# Altium PCB VCU_LAYOUT.PcbDoc (part 1 of 3)
Units mm, origin at the board's own origin, x right, y up, seen from the top; angles counter-clockwise.
Board outline 100 x 100 mm, 2 copper layers (Top Layer, Bottom Layer); 174 components, 112 nets, 647 pads, 397 vias.
Unrouted connection lines stored in the file: 9.
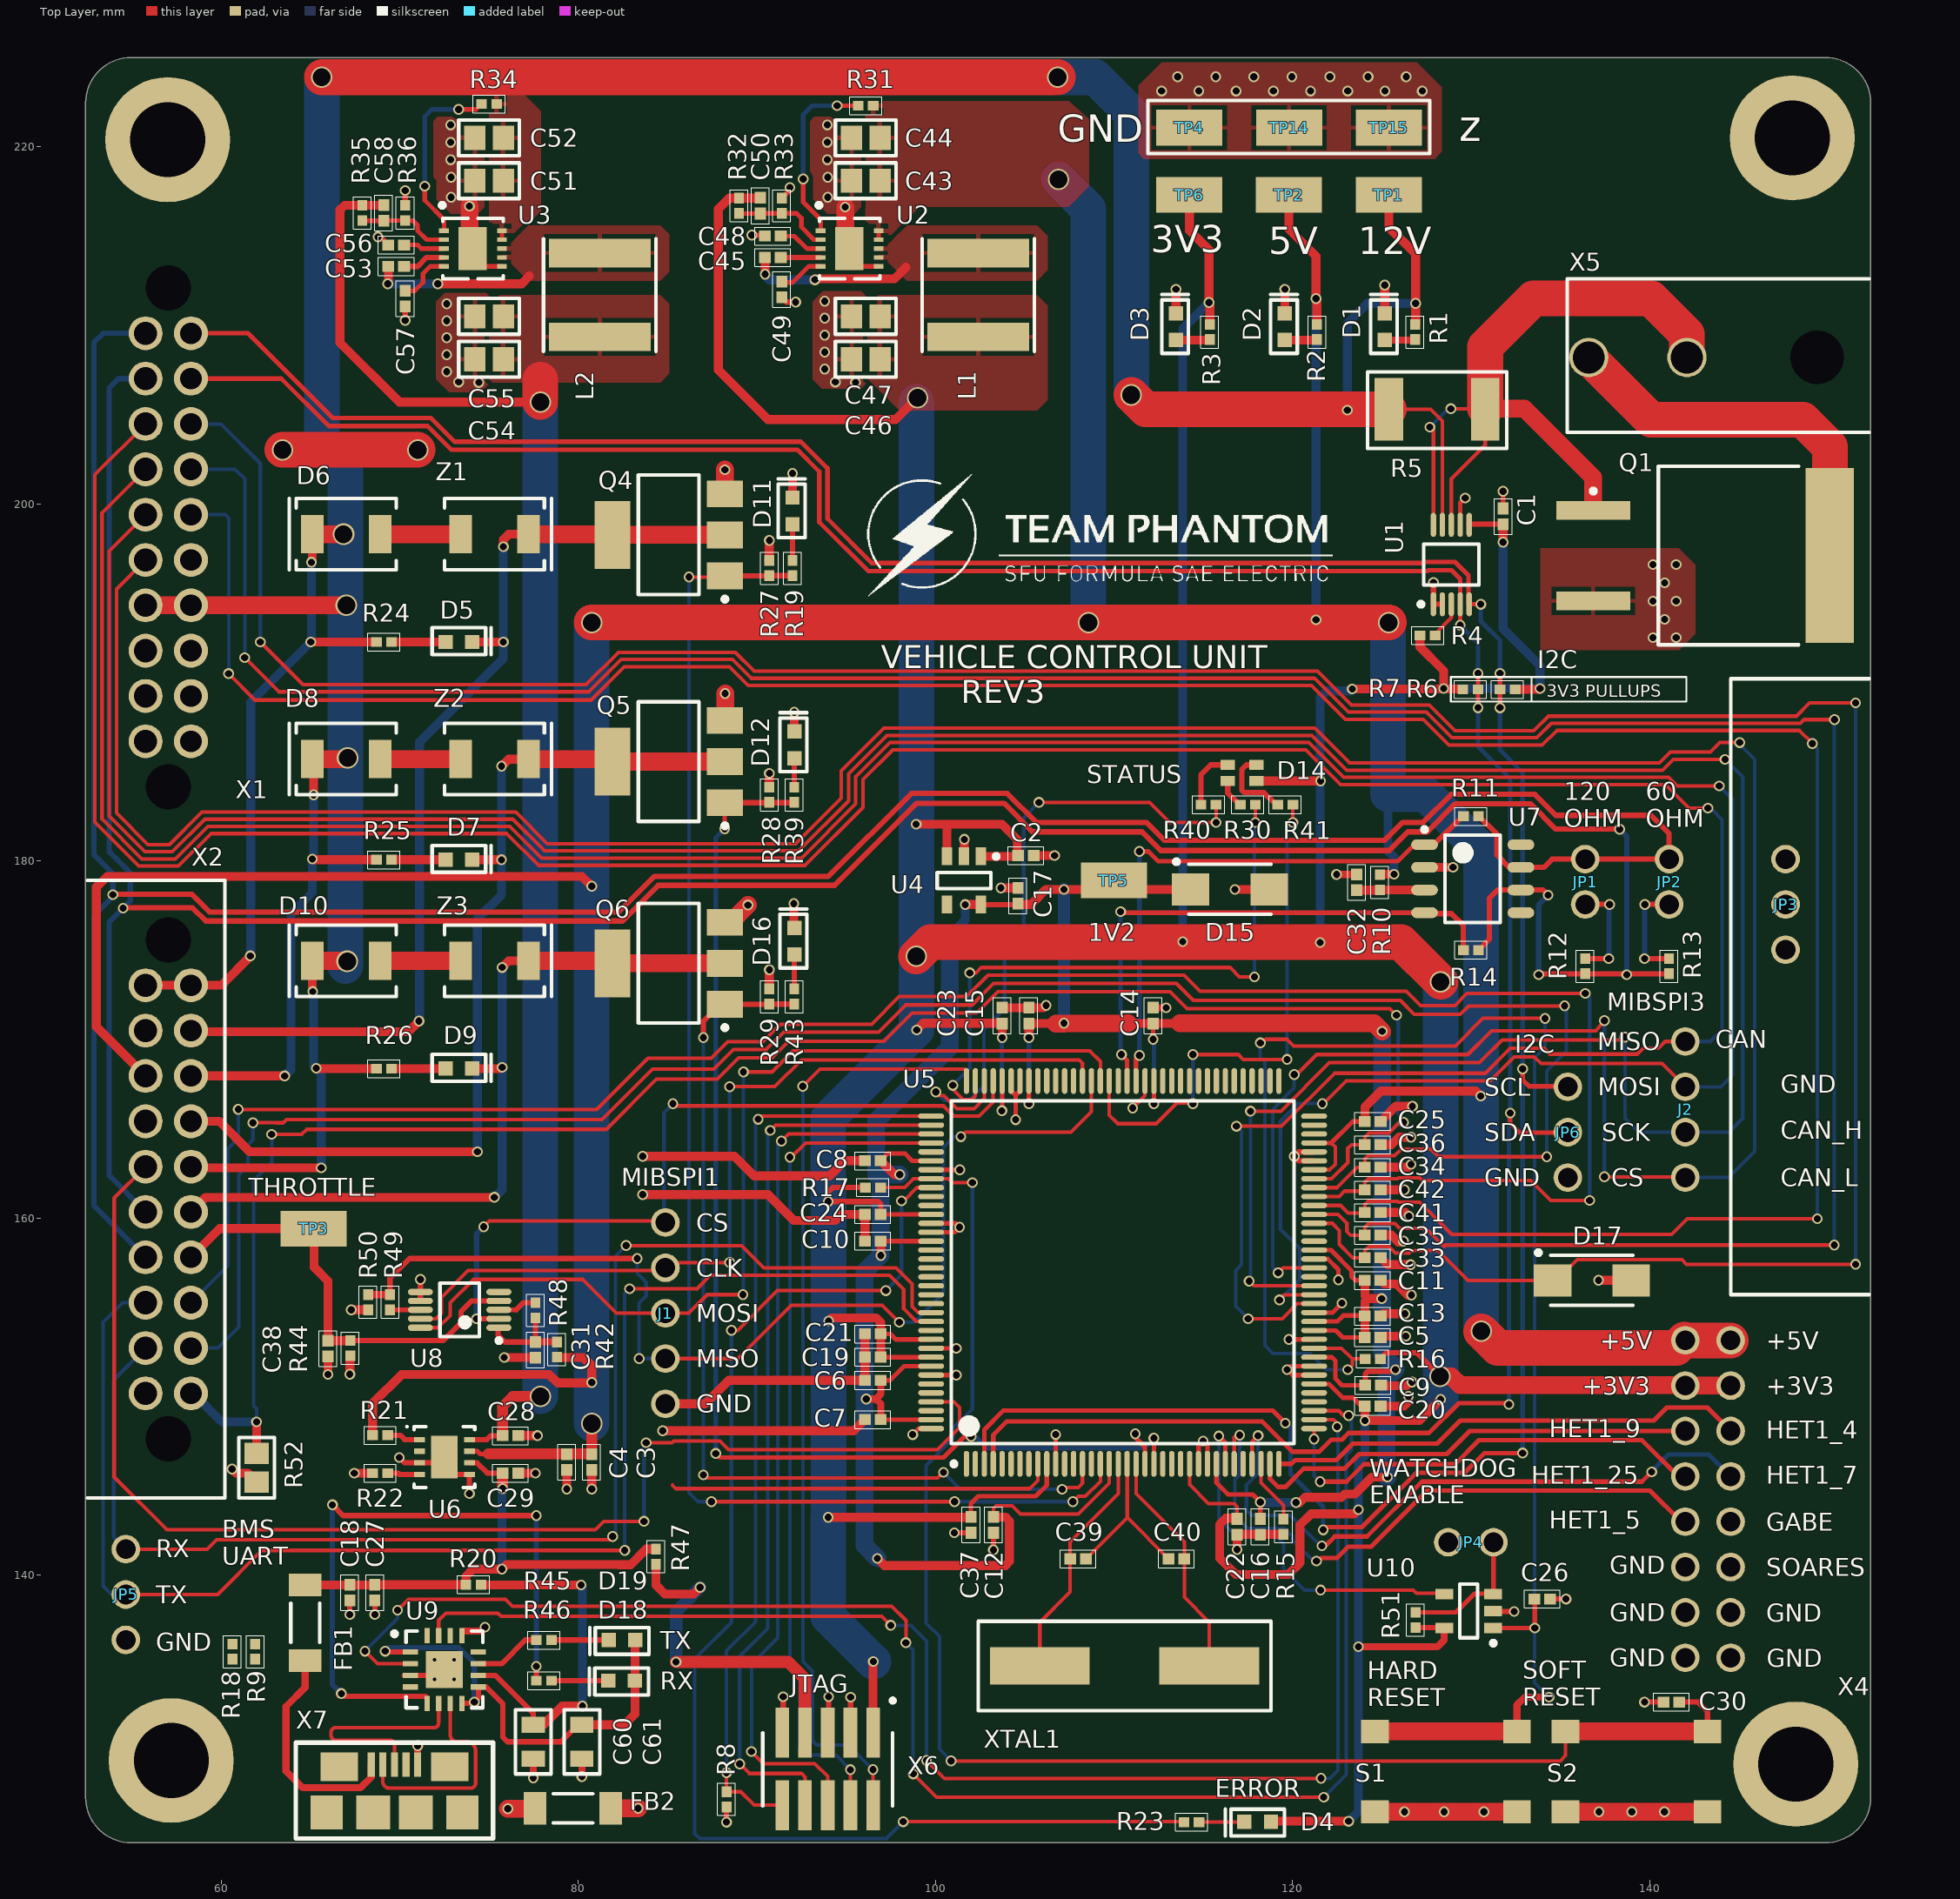
[diagram p0: Top Layer view]
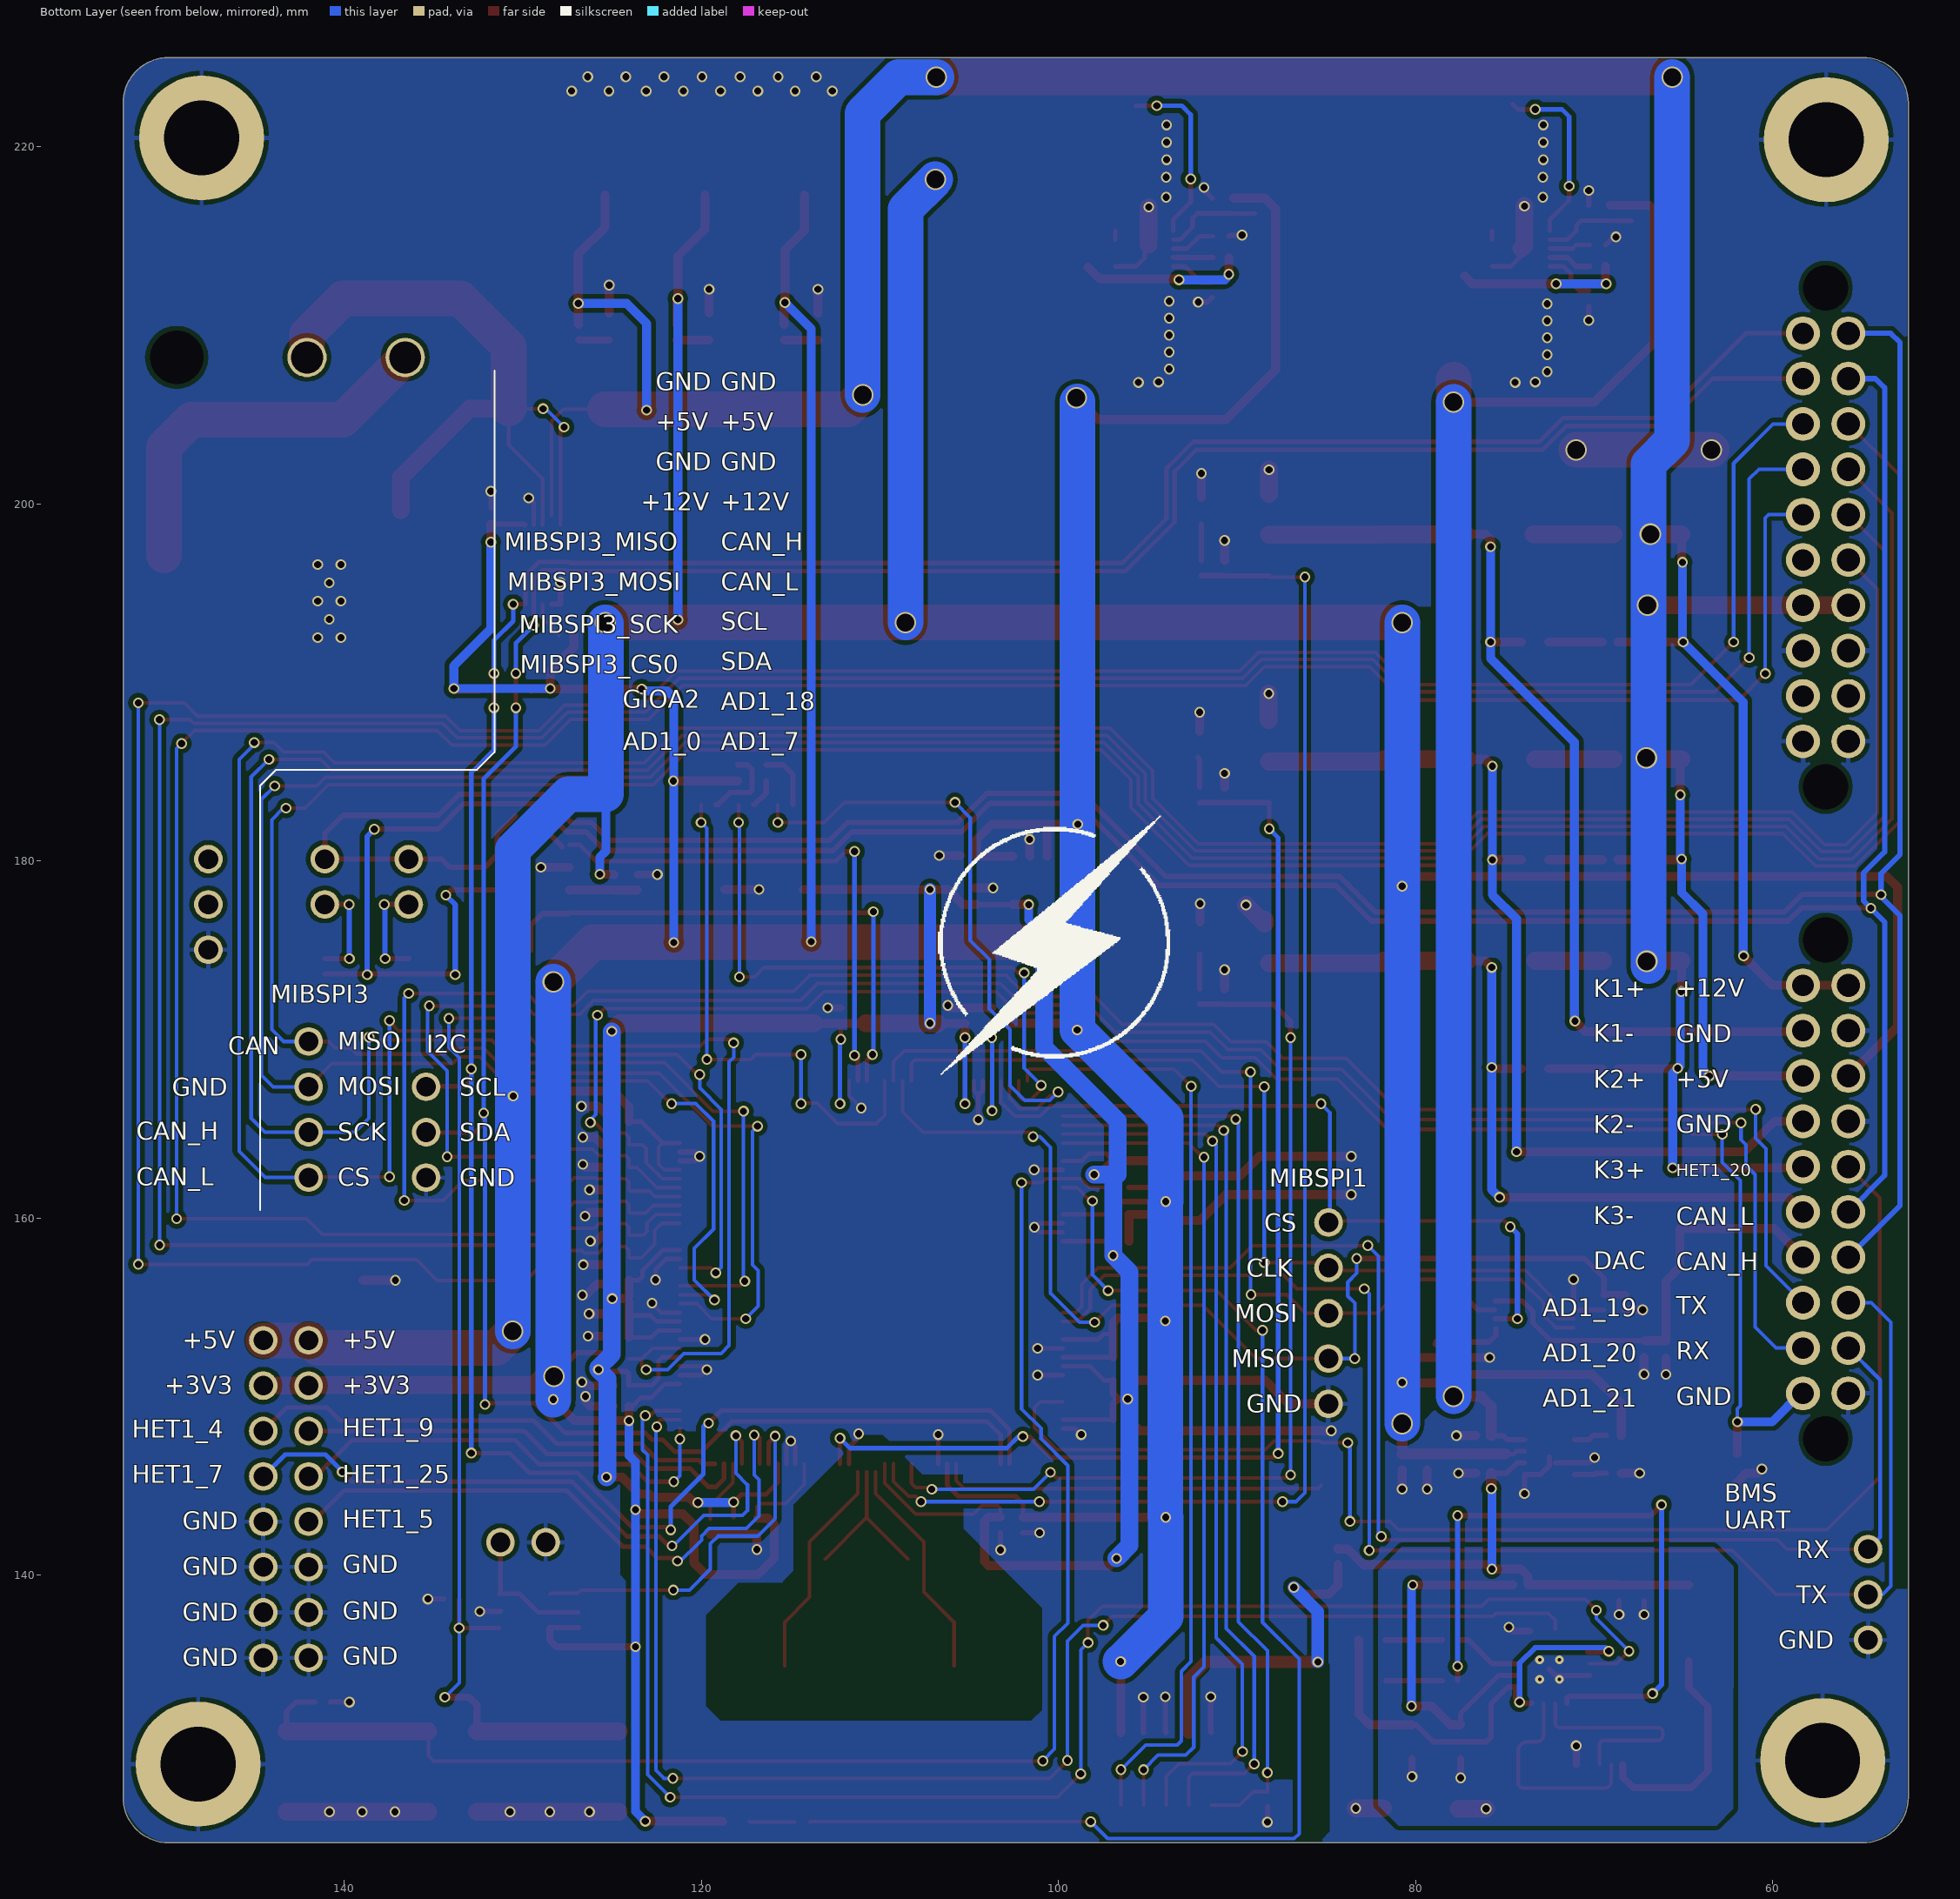
[diagram p1: Bottom Layer view, seen from below]

## Layer stack, top to bottom
Top Solder: solder mask 0.0102, Solder Resist, Dk 3.5
Top Layer: signal copper 0.0356
Dielectric 1: dielectric 0.32, FR-4, Dk 4.8
Bottom Layer: signal copper 0.0356
Bottom Solder: solder mask 0.0102, Solder Resist, Dk 3.5

## Board outline
52.4,127.54 ccw(c54.94,127.54) 54.94,125 149.86,125 ccw(c149.86,127.54) 152.4,127.54 152.4,222.46 ccw(c149.86,222.46) 149.86,225 54.94,225 ccw(c54.94,222.46) 52.4,222.46

## Design rules (kind name [scope] priority, off if disabled: settings)
Clearance [All] p1: gap=0.254 ignorepadtopadclearanceinfootprint=TRUE except(0: Arc-Hole Track-Hole SMDPad-Hole THPad-Hole Via-Hole Fill-Hole Poly-Hole Region-Hole Text-Hole; 0.1: SMDPad-SMDPad; 0.152: Arc-SMDPad Track-SMDPad; 0.203: Arc-Arc Arc-Track Arc-THPad Track-Track Track-THPad)
DiffPairsRouting [All] p1: maxlimit=500 minlimit=0.254 mostfreqgap=0.254 toplayer_minwidth=0.15 toplayer_maxwidth=0.381 toplayer_prefwidth=0.2 bottomlayer_minwidth=0.15 bottomlayer_maxwidth=0.381 bottomlayer_prefwidth=0.2 maxuncoupledlength=12.7
Height [All] p1: minheight=0 maxheight=300 prefheight=12.7
HoleSize [All] p1: absolutevalues=TRUE maxlimit=5 minlimit=0.025 maxpercent=80.000 minpercent=20.000
MatchedLengths USB_DATA [InDifferentialPair('USBD')] p1 off: tolerance=0.254 checknetsindiffpair=TRUE checkdiffpairvsdiffpair=FALSE checkxsignals=FALSE checkothers=FALSE
PolygonConnect GND_Vias [IsVia] p1: connectstyle=Direct reliefconductorwidth=0.254 reliefentries=4 polygonreliefangle="90 Angle" airgapwidth=0.254
PolygonConnect [All] p2: connectstyle=Relief reliefconductorwidth=0.254 reliefentries=4 polygonreliefangle="90 Angle" airgapwidth=0.254
RoutingVias [All] p1: holewidth=0.711 width=1.27 viastyle="Through Hole" minholewidth=0.711 minwidth=1.27 maxholewidth=0.711 maxwidth=1.27
SolderMaskExpansion [All] p1: expansion=0.102
Width [All] p1: maxlimit=2 minlimit=0.15 preferedwidth=0.254 minimp=50.000000 maximp=50.000000 favimp=50.000000
27 further rules are at their usual default settings.

## Classes and differential pairs
component class BUCK_CONVERTERS: C43 C44 C45 C46 C47 C48 C49 C50 C51 C52 C53 C54 C55 C56 C57 C58 L1 L2 R31 R32 R33 R34 R35 R36 TP6 U2 U3
component class VCU_Schematic: D14 D17 I2C J2 JP5 JP6 R6 R7 R30 R40 R41 R52
component class Power_Sensing: C1 C3 C4 C28 C29 D1 D2 D3 Q1 R1 R2 R3 R4 R5 R21 R22 TP1 TP2 TP4 TP14 TP15 U1 U6
component class Contactor_Switching: D5 D6 D7 D8 D9 D10 D11 D12 D16 Q4 Q5 Q6 R19 R24 R25 R26 R27 R28 R29 R39 R43 Z1 Z2 Z3
component class Connectors: R9 R18 X1 X2 X4 X5
component class CAN: C32 JP1 JP2 JP3 R10 R11 R12 R13 R14 U7
component class ADC_Decoupling: C33 C34 C35 C36 C41 C42
component class MCU_Signals: C18 C25 C26 C27 C30 C39 C40 C60 C61 D4 D18 D19 FB1 FB2 JP4 R8 R15 R16 R17 R20 R23 R45 R46 R47 R51 S1 S2 U9 U10 X6 X7 XTAL1
component class Power_MCU: C2 C5 C6 C7 C8 C9 C10 C11 C12 C13 C14 C15 C16 C17 C19 C20 C21 C22 C23 C24 C37 D15 TP5 U4 U5
component class DAC: C31 C38 J1 R42 R44 R48 R49 R50 TP3 U8
differential pair USBD: +USBD_P -USBD_N

## Components (designator, comment, footprint, x,y, rotation, side; value= is the part's Value field where it differs from the comment)
C1 "100nF" C0402 131.8,199.3 r270 top
C2 "1uF" C0402 105.075,180.3 r180 top
C3 "1uF" C0402 80.75,146.325 r90 top
C4 "100nF" C0402 79.35,146.325 r90 top
C5 "100nF" C0402 124.5,153.3 r180 top
C6 "100nF" C0402 96.5,150.9 r0 top
C7 "100nF" C0402 96.5,148.7 r0 top
C8 "100nF" C0402 96.5,163.2 r0 top
C9 "100nF" C0402 124.525,150.625 r180 top
C10 "100nF" C0402 96.5,158.7 r0 top
C11 "100nF" C0402 124.5,156.5 r180 top
C12 "100nF" C0402 103.25,142.8 r90 top
C13 "100nF" C0402 124.5,154.5 r180 top
C14 "100nF" C0402 112.2,171.33 r270 top
C15 "100nF" C0402 105.24,171.33 r270 top
C16 "100nF" C0402 118.2,142.7 r90 top
C17 "1uF" C0402 104.625,178.05 r270 top
C18 "1uF" C0402 67.2,139 r90 top
C19 "100nF" C0402 96.5,152.2 r0 top
C20 "100nF" C0402 124.5,149.45 r180 top
C21 "100nF" C0402 96.5,153.5 r0 top
C22 "100nF" C0402 116.9,142.7 r90 top
C23 "100nF" C0402 103.74,171.33 r270 top
C24 "100nF" C0402 96.5,160.2 r0 top
C25 "100nF" C0402 124.5,165.4 r180 top
C26 "100nF" C0402 134,138.65 r180 top
C27 "100nF" C0402 68.6,139 r270 top
C28 "100nF" C0402 76.2,147.8 r0 top
C29 "100nF" C0402 76.2,145.7 r180 top
C30 "100nF" C0402 141.225,132.875 r0 top
C31 "100nF" C0402 77.6,152.6 r90 top
C32 "100nF" C0402 123.6,178.8 r270 top
C33 "100nF" C0402 124.5,157.767 r180 top
C34 "100nF" C0402 124.5,162.833 r180 top
C35 "100nF" C0402 124.5,159.033 r180 top
C36 "100nF" C0402 124.5,164.1 r180 top
C37 "100nF" C0402 102,142.8 r90 top
C38 "100nF" C0402 65.975,152.675 r90 top
C39 "33pF" C0402 108,140.9 r0 top
C40 "33pF" C0402 113.5,140.9 r180 top
C41 "100nF" C0402 124.5,160.3 r180 top
C42 "100nF" C0402 124.5,161.567 r180 top
C43 "10uF" R0805-3D 96.1,218.1 r0 top
C44 "10uF" R0805-3D 96.1,220.5 r0 top
C45 "100nF" C0402 90.9,213.8 r0 top
C46 "22uF" R0805-3D 96.1,208.1 r0 top
C47 "22uF" R0805-3D 96.1,210.5 r0 top
C48 "1uF" C0402 90.9,215 r0 top
C49 "10nF" C0402 91.4,212 r90 top
C50 "10pF" C0402 90.2,216.7 r90 top
C51 "10uF" R0805-3D 75,218.1 r0 top
C52 "10uF" R0805-3D 75,220.5 r0 top
C53 "100nF" C0402 69.8,213.3 r0 top
C54 "22uF" R0805-3D 75,208.1 r0 top
C55 "22uF" R0805-3D 75,210.5 r0 top
C56 "1uF" C0402 69.8,214.5 r0 top
C57 "10nF" C0402 70.3,211.5 r90 top
C58 "10pF" C0402 69.1,216.3 r90 top
C60 "10uF" C0805 77.475,130.65 r90 top
C61 "10uF" C0805 80.2,130.65 r90 top
D1 "Green" LED_0603 125.175,209.925 r90 top
D2 "Green" LED_0603 119.575,209.925 r90 top
D3 "Green" LED_0603 113.475,209.925 r90 top
D4 "Red" LED_0603 118.05,126.175 r180 top
D5 "Blue" LED_0603 73.31,192.26 r0 top
D6 "S3BB-TP" DO-214AA_Diode 67,198.3 r180 top
D7 "Blue" LED_0603 73.31,180.06 r0 top
D8 "S3BB-TP" DO-214AA_Diode 67,185.7 r180 top
D9 "Blue" LED_0603 73.31,168.36 r0 top
D10 "S3BB-TP" DO-214AA_Diode 67,174.4 r180 top
D11 "Blue" LED_0603 92,199.6 r90 top
D12 "Blue" LED_0603 92.1,186.5 r90 top
D14 "EAST1616RGBB4" LED_TRICOLOR 116.197,185.237 r180 top
D15 "3.3V" DIODE_TVS 116.5,178.4 r0 top
D16 "Blue" LED_0603 92.1,175.5 r90 top
D17 "6.4V" DIODE_TVS 136.775,156.5 r0 top
D18 "Green" LED_0603 82.45,136.35 r180 top
D19 "Green" LED_0603 82.425,134.075 r180 top
FB1 "23R @ 100 MHz" FB_1806 64.7,137.32 r90 top
FB2 "23R @ 100 MHz" FB_1806 79.7,126.925 r0 top
J1 "61300511121" 5PIN_HEADER 84.88,159.74 r270 top
J2 "61300411121" 4PIN_HEADER 142.01,162.26 r90 top
JP1 "952-2262-ND" 2PIN_HEADER 136.4,177.56 r90 top
JP2 "952-2262-ND" 2PIN_HEADER 141.1,177.56 r90 top
JP3 "732-5316-ND" 3PIN_HEADER 147.625,177.56 r270 top
JP4 "952-2262-ND" 2PIN_HEADER 131.265,141.825 r180 top
JP5 "732-5316-ND" 3PIN_HEADER 54.65,138.9 r270 top
JP6 "732-5316-ND" 3PIN_HEADER 135.425,164.8 r270 top
L1 "2.2uH" IND-6mm 102.4,211.7 r270 top
L2 "3.3uH" IND-6mm 81.2,211.7 r270 top
Q1 "PSMN022-30BL,118" D2PAK_FETs 143.1,197.1 r0 top
Q4 "NCV8406ASTT1G" SOT-223_NFET 85.06,198.26 r180 top
Q5 "NCV8406ASTT1G" SOT-223_NFET 85.06,185.56 r180 top
Q6 "NCV8406ASTT1G" SOT-223_NFET 85.06,174.26 r180 top
R1 "2k2" R0402 126.875,209.625 r90 top
R2 "665R" R0402 121.375,209.625 r90 top
R3 "280R" R0402 115.375,209.625 r90 top
R4 "10k" R0402 127.575,192.625 r180 top
R5 "0R001" R2512 128.1,205.3 r180 top
R6 "2k2" R0402 132.05,189.6 r0 top
R7 "2k2" R0402 129.975,189.6 r180 top
R8 "10k" R0402 88.3,127.425 r90 top
R9 "10k" R0402 61.9,135.7 r270 top
R10 "0R" R0402 124.9,178.8 r90 top
R11 "0R" R0402 130,182.5 r0 top
R12 "120R" R0402 136.4,174.1 r90 top
R13 "R60" R0402 141.1,174.1 r90 top
R14 "0R" R0402 130,175 r0 top
R15 "2k2" R0402 119.5,142.7 r270 top
R16 "2k2" R0402 124.5,152.1 r0 top
R17 "2k2" R0402 96.5,161.7 r180 top
R18 "10k" R0402 60.625,135.7 r90 top
R19 "10R" R0402 92,196.4 r270 top
R20 "0R" R0402 74.125,139.45 r0 top
R21 "10k" R0402 68.9,147.825 r0 top
R22 "1k" R0402 68.9,145.7 r0 top
R23 "2k2" R0402 114.35,126.15 r0 top
R24 "2k2" R0402 69.11,192.26 r180 top
R25 "2k2" R0402 69.11,180.06 r180 top
R26 "2k2" R0402 69.11,168.36 r180 top
R27 "10k" R0402 90.7,196.4 r270 top
R28 "10k" R0402 90.7,183.7 r270 top
R29 "10k" R0402 90.7,172.4 r270 top
R30 "60R4" R0402 117.5,183.15 r0 top
R31 "10k" R0402 96.1,222.3 r0 top
R32 "73.2k" R0402 89,216.7 r90 top
R33 "22.1k" R0402 91.4,216.7 r270 top
R34 "10k" R0402 75,222.4 r0 top
R35 "124k" R0402 67.9,216.3 r90 top
R36 "22.1k" R0402 70.3,216.3 r270 top
R39 "10R" R0402 92.1,183.7 r270 top
R40 "60R4" R0402 115.3,183.15 r0 top
R41 "60R4" R0402 119.6,183.15 r0 top
R42 "0R" R0402 78.8,152.625 r270 top
R43 "10R" R0402 92.1,172.4 r270 top
R44 "10k" R0402 67.225,152.7 r90 top
R45 "280R" R0402 78.075,136.35 r0 top
R46 "280R" R0402 78.075,134.075 r0 top
R47 "0R" R0402 84.35,141.025 r90 top
R48 "0R" R0402 77.6,154.825 r270 top
R49 "1k" R0402 69.45,155.275 r270 top
R50 "2k" R0402 68.225,155.275 r90 top
R51 "10k" R0402 126.9,137.475 r270 top
R52 "33R" R0805-3D 61.975,146 r270 top
S1 "PTS645SM43SMTR92LFS" PUSH_BUTTON 128.6,128.975 r180 top
S2 "PTS645SM43SMTR92LFS" PUSH_BUTTON 139.275,128.975 r180 top
TP1 "5015" TP_HOOK 125.4,217.3 r0 top
TP2 "5015" TP_HOOK 119.8,217.3 r0 top
TP3 "5015" TP_HOOK 65.175,159.4 r0 top
TP4 "5015" TP_HOOK 114.227,221.073 r180 top
TP5 "5015" TP_HOOK 110,178.9 r0 top
TP6 "5015" TP_HOOK 114.227,217.3 r0 top
TP14 "5015" TP_HOOK 119.813,221.073 r180 top
TP15 "5015" TP_HOOK 125.4,221.073 r180 top
U1 "INA226AIDGSR" 10-VSSOP_INA226 128.9,196.6 r90 top
U2 "AP65550FN-7" DFN-10 95.2,214.3 r270 top
U3 "AP65550FN-7" DFN-10 74.1,214.3 r270 top
U4 "MIC5504-1.2YM5-TR" SOT23-5-MIC5504 101.6,178.9 r270 top
U5 "TMS5701227CPGEQQ1" LQFP-144 110.49,156.945 r90 top
U6 "TPS2115ADRBR" VSON-8 72.5,146.6 r0 top
U7 "MCP2561FD-E/SN" 8-SOIC_MCP2561 130.1,179 r0 top
U8 "MCP48FVB01-E/UN" MSSOP-10 73.35,154.85 r180 top
U9 "FT230XQ-R" QFN16-EP 72.5,134.7 r0 top
U10 "STWD100YNYWY3F" SOT23-5-WATCHDOG 129.875,137.975 r180 top
X1 "WM10445-ND" MOLEX_20pin 34.4,198.125 r270 top
X2 "WM10445-ND" MOLEX_20pin 34.4,161.6 r270 top
X4 "68602-116HLF" 16PIN_HEADER 142.01,153.14 r270 top
X5 "0768250002" MOLEX_2PIN_MEGAFIT 149.4,208.2 r90 top
X6 "FTSH-105-01-F-DV-K" JTAG_50mil_10pin 96.51,131.16 r0 top
X7 "10118192-0001LF" USB_MICRO 69.7,129.375 r0 top